# KiCad board rev6.0_flat_powerstage.kicad_pcb (continued)
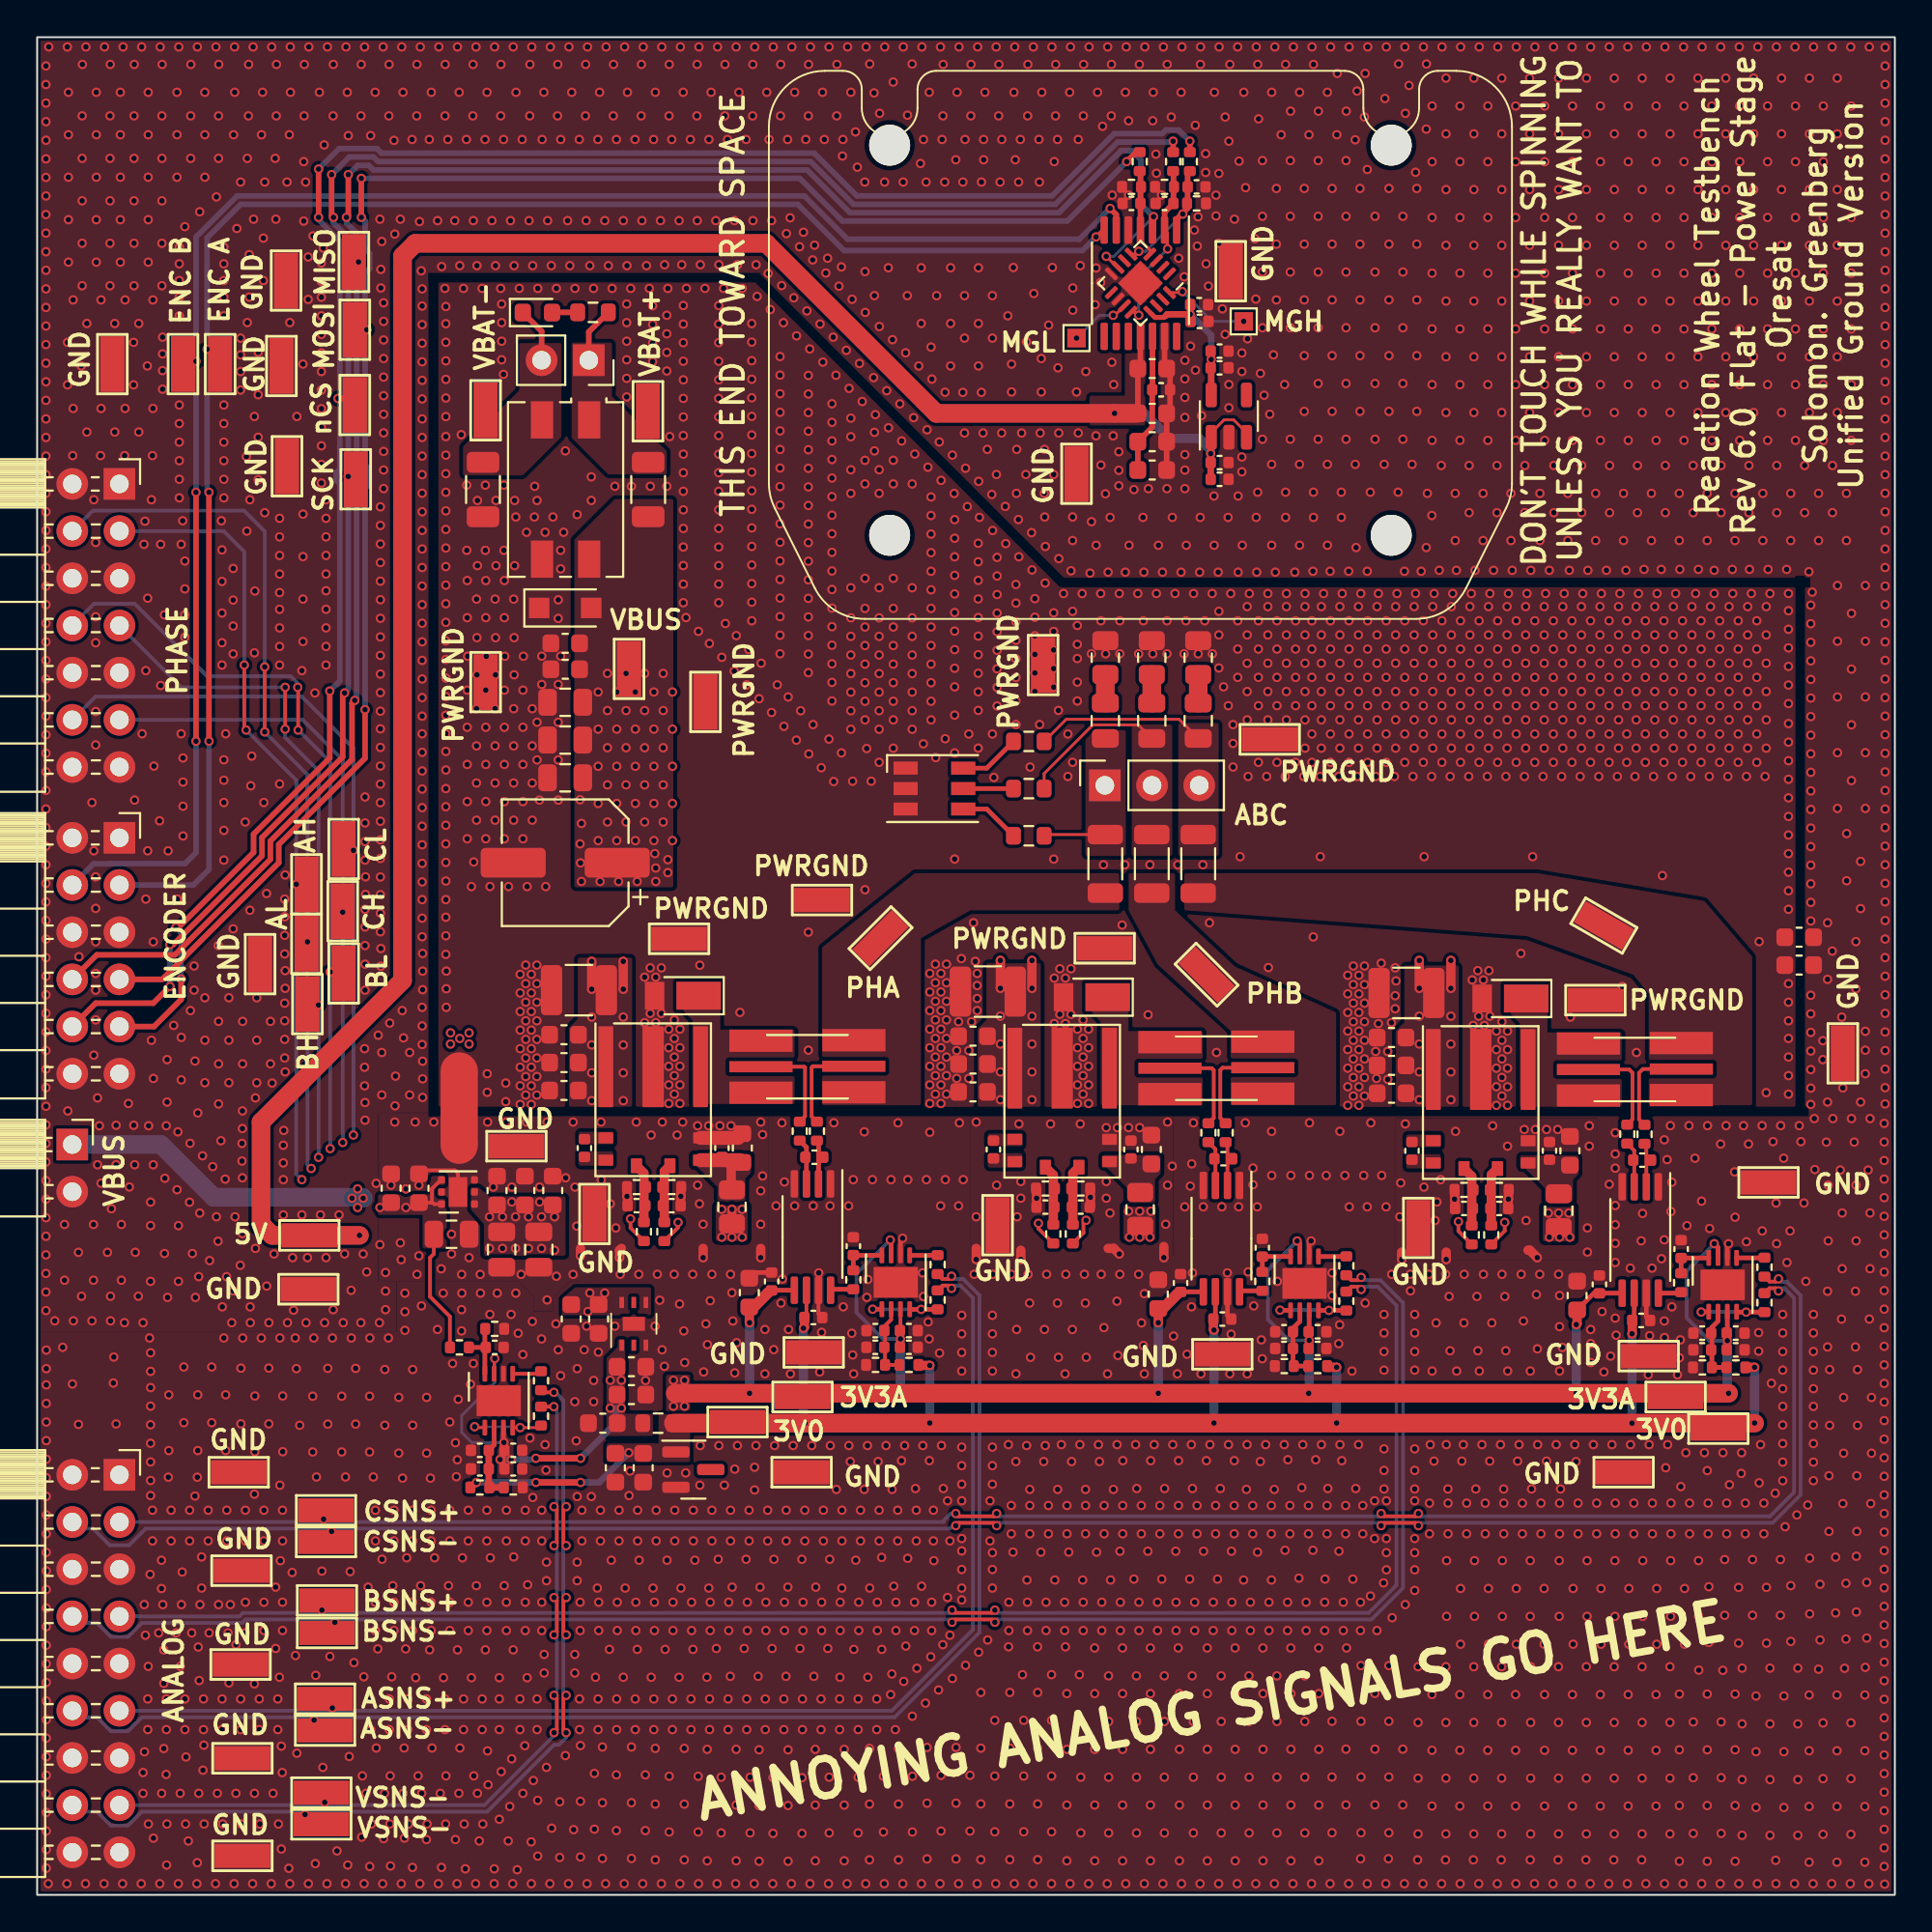
[diagram p0: board, top side]
## Routing (per net, layer and track width the routed paths; a pad name or vN(x,y) marks a point on that pad's centre or on a via; arc(x,y) is an arc through that point) (continued)
  vias: v1(0.48,98.45) v1(0.48,97.45) v1(0.48,96.45) v1(0.48,95.45) v1(0.48,94.45) v1(0.48,93.45) v1(0.48,92.45) v1(0.48,91.45) v1(0.48,90.45) v1(0.48,89.45) v1(0.48,88.45) v1(0.48,87.45) v1(0.48,86.45) v1(0.48,85.45) v1(0.48,84.45) v1(0.48,83.45) v1(0.48,82.45) v1(0.48,81.45) v1(0.48,80.45) v1(0.48,79.45) v1(0.48,78.45) v1(0.48,77.45) v1(0.48,76.45) v1(0.48,75.45) v1(0.48,74.45) v1(0.48,73.45) v1(0.48,72.45) v1(0.48,71.45) v1(0.48,70.45) v1(0.48,69.45) v1(0.48,68.45) v1(0.48,67.45) v1(0.48,66.45) v1(0.48,65.45) v1(0.48,64.45) v1(0.48,63.45) v1(0.48,62.45) v1(0.48,61.45) v1(0.48,60.45) v1(0.48,59.45) v1(0.48,58.45) v1(0.48,57.45) v1(0.48,56.45) v1(0.48,55.45) v1(0.48,54.45) v1(0.48,53.45) v1(0.48,52.45) v1(0.48,51.45) v1(0.48,50.45) v1(0.48,49.45) v1(0.48,48.45) v1(0.48,47.45) v1(0.48,46.45) v1(0.48,45.45) v1(0.48,44.45) v1(0.48,43.45) v1(0.48,42.45) v1(0.48,41.45) v1(0.48,40.45) v1(0.48,39.45) v1(0.48,38.45) v1(0.48,37.45) v1(0.48,36.45) v1(0.48,35.45) v1(0.48,34.45) v1(0.48,33.45) v1(0.48,32.45) v1(0.48,31.45) v1(0.49,29.33) v1(0.49,28.33) v1(0.49,27.45) v1(0.49,26.45) v1(0.49,25.45) v1(0.49,24.45) v1(0.49,23.45) v1(0.49,22.45) v1(0.49,21.45) v1(0.49,20.45) v1(0.49,19.44) v1(0.49,18.44) v1(0.49,17.44) v1(0.49,16.44) v1(0.49,15.44) v1(0.49,14.44) v1(0.49,13.44) v1(0.49,12.44) v1(0.49,11.44) v1(0.49,10.44) v1(0.49,9.44) v1(0.49,8.44) v1(0.49,7.44) v1(0.49,6.44) v1(0.49,5.44) v1(0.49,4.44) v1(0.49,3.44) v1(0.49,2.44) v1(0.49,1.44) v1(0.62,99.47) v1(0.6,0.6) v1(0.95,30.9) v1(1.38,29.47) v1(1.47,36.09) v1(1.47,33.09) v1(1.62,99.47) v1(1.68,97.03) v1(1.68,94.75) v1(1.68,92.46) v1(1.68,90.17) v1(1.68,87.89) v1(1.64,83.57) v1(1.64,81.28) v1(1.65,42.2) v1(1.6,0.6) v1(1.9,27.5) v1(1.94,85.86) v1(1.94,80.01) v1(1.91,77.47) v1(1.95,30.9) v1(2.25,50.5) v1(2.22,34.59) v1(2.23,25.33) v1(2.37,82.3) v1(2.39,32.22) v1(2.43,98.53) v1(2.42,95.76) v1(2.42,93.48) v1(2.42,91.19) v1(2.42,88.9) v1(2.42,86.62) v1(2.62,99.47) v1(2.68,84.59) v1(2.68,78.74) v1(2.6,0.6) v1(2.95,58.8) v1(2.95,30.9) v1(3.05,75.1) v1(3.05,56.2) v1(3.05,45.2) v1(3.03,36.09) v1(3.03,33.09) v1(3.18,97.03) v1(3.18,94.75) v1(3.18,92.46) v1(3.18,90.17) v1(3.18,87.89) v1(3.15,72.8) v1(3.15,68.8) v1(3.15,67.4) v1(3.15,63.7) v1(3.15,61.9) v1(3.15,54.8) v1(3.15,53.1) v1(3.15,51.3) v1(3.15,49.6) v1(3.15,48.7) v1(3.15,47.1) v1(3.25,42.9) v1(3.25,39.3) v1(3.35,41.4) v1(3.44,85.86) v1(3.44,80.01) v1(3.41,77.47) v1(3.44,38.31) v1(3.62,99.47) v1(3.6,0.6) v1(3.78,34.59) v1(3.93,98.53) v1(3.92,95.76) v1(3.92,93.48) v1(3.92,91.19) v1(3.92,88.9) v1(3.92,86.62) v1(4,36.94) v1(3.95,32.22) v1(3.95,30.9) v1(4.18,84.59) v1(4.18,78.74) v1(4.12,28.95) v1(4.1,27.55) v1(4.25,41.42) v1(4.25,39.3) v1(4.25,25.35) v1(4.48,97.03) v1(4.48,94.75) v1(4.48,92.46) v1(4.48,90.17) v1(4.48,87.89) v1(4.53,36.09) v1(4.53,33.09) v1(4.62,99.47) v1(4.6,0.6) v1(4.73,85.86) v1(4.73,80.01) v1(4.71,77.47) v1(4.7,30.8) v1(4.91,42.6) v1(4.96,38.1) v1(5.19,83.57) v1(5.19,81.28) v1(5.23,98.53) v1(5.22,95.76) v1(5.22,93.48) v1(5.22,91.19) v1(5.22,88.9) v1(5.22,86.62) v1(5.24,58.93) v1(5.2,41.42) v1(5.25,39.3) v1(5.28,34.59) v1(5.47,84.59) v1(5.47,78.74) v1(5.45,32.22) v1(5.62,99.47) v1(5.65,62.5) v1(5.6,0.6) v1(5.75,72.7) v1(5.7,30.8) v1(5.76,15.62) v1(5.78,7.7) v1(5.7,6.58) v1(5.7,5.47) v1(5.8,73.94) v1(5.85,65.9) v1(5.85,53.6) v1(5.83,13.97) v1(5.98,97.03) v1(5.98,94.75) v1(5.98,92.46) v1(5.98,90.17) v1(5.98,87.89) v1(5.93,82.3) v1(5.95,69.8) v1(5.95,56.2) v1(5.98,12.3) v1(5.95,10.55) v1(5.95,8.89) v1(5.99,3.81) v1(6,41.4) v1(6.05,29.98) v1(6.08,17.25) v1(6.15,75.1) v1(6.15,46) v1(6.11,37.29) v1(6.1,36.02) v1(6.1,33.02) v1(6.11,29.18) v1(6.11,28.18) v1(6.11,27.31) v1(6.11,26.31) v1(6.11,25.31) v1(6.11,24.31) v1(6.11,23.31) v1(6.11,22.31) v1(6.11,21.49) v1(6.23,85.86) v1(6.23,80.01) v1(6.21,77.47) v1(6.28,60.76) v1(6.25,51.3) v1(6.26,43.95) v1(6.25,39.3) v1(6.21,20.7) v1(6.21,19.05) v1(6.26,3.05) v1(6.59,57.81) v1(6.54,14.1) v1(6.62,99.47) v1(6.65,72.7) v1(6.65,65.1) v1(6.69,18.01) v1(6.69,16.49) v1(6.6,0.6) v1(6.73,98.53) v1(6.72,95.76) v1(6.72,93.48) v1(6.72,91.19) v1(6.72,88.9) v1(6.72,86.62) v1(6.75,83.85) v1(6.75,82.95) v1(6.75,82.05) v1(6.75,81.05) v1(6.76,15.62) v1(6.7,5.47) v1(6.85,68.9) v1(6.88,38.57) v1(6.85,34.52) v1(6.82,13.19) v1(6.82,11.38) v1(6.82,7.88) v1(7,44.96) v1(7,42.68) v1(6.95,41.4) v1(6.95,10.55) v1(6.95,8.89) v1(6.94,6.48) v1(6.99,3.81) v1(6.97,1.6) v1(7.05,56.2) v1(7.02,32.16) v1(7.09,26.92) v1(7.09,23.92) v1(7.06,22.48) v1(7.21,20.7) v1(7.21,19.05) v1(7.35,46.8) v1(7.48,14.1) v1(7.53,97.03) v1(7.53,94.75) v1(7.53,92.46) v1(7.55,53.6) v1(7.58,41.07) v1(7.53,37.96) v1(7.62,99.47) v1(7.65,88.7) v1(7.65,87.8) v1(7.65,86.9) v1(7.65,86) v1(7.65,85) v1(7.65,80.2) v1(7.65,79.2) v1(7.65,78.2) v1(7.65,77.2) v1(7.65,76.2) v1(7.65,75.2) v1(7.6,36.02) v1(7.6,33.02) v1(7.6,0.6) v1(7.75,72.7) v1(7.75,62.5) v1(7.76,46.16) v1(7.76,43.87) v1(7.76,15.62) v1(7.71,12.3) v1(7.7,5.47) v1(7.83,73.97) v1(7.85,61.2) v1(7.85,59.9) v1(7.85,58.6) v1(7.85,57) v1(7.9,28.42) v1(7.9,25.42) v1(7.81,17.38) v1(7.95,89.8) v1(7.95,71.8) v1(7.95,70.3) v1(7.95,68.9) v1(7.95,67.7) v1(7.95,10.55) v1(7.95,8.89) v1(7.99,3.81) v1(8.01,7.42) v1(8.14,2.9) v1(8.28,98.53) v1(8.26,95.76) v1(8.26,93.48) v1(8.25,47.6) v1(8.23,40.46) v1(8.2,37.28) v1(8.21,20.7) v1(8.21,19.05) v1(8.35,34.52) v1(8.32,14.1) v1(8.45,50) v1(8.45,48.7) v1(8.5,44.89) v1(8.49,21.47) v1(8.52,32.16) v1(8.62,99.47) v1(8.65,42.09) v1(8.7,33.28) v1(8.65,26.92) v1(8.65,23.92) v1(8.62,22.48) v1(8.67,13.34) v1(8.62,1.73) v1(8.6,0.6) v1(8.75,90.6) v1(8.75,36.7) v1(8.76,15.62) v1(8.72,11.54) v1(8.7,5.47) v1(8.85,18.19) v1(8.85,16.51) v1(8.9,39.78) v1(8.95,10.55) v1(8.95,8.89) v1(8.98,8.06) v1(8.93,6.71) v1(8.99,3.81) v1(9.03,97.03) v1(9.03,94.75) v1(9.03,92.46) v1(9.03,48.29) v1(9.03,46) v1(9.03,43.72) v1(9.28,34.14) v1(9.21,20.7) v1(9.21,19.05) v1(9.26,14.1) v1(9.4,28.42) v1(9.4,25.42) v1(9.45,39.2) v1(9.62,99.47) v1(9.65,91.4) v1(9.65,36.5) v1(9.6,0.6) v1(9.78,98.53) v1(9.76,95.76) v1(9.76,93.48) v1(9.75,51.1) v1(9.77,47.02) v1(9.77,44.73) v1(9.76,42.57) v1(9.74,35.18) v1(9.76,15.62) v1(9.7,5.47) v1(9.89,40.59) v1(9.92,73.97) v1(9.95,72.4) v1(9.95,70.7) v1(9.95,69) v1(9.95,67.4) v1(9.95,66.2) v1(9.97,31.65) v1(9.95,10.55) v1(9.95,8.89) v1(9.99,3.81) v1(10.05,88.7) v1(10.05,87.8) v1(10.05,86.9) v1(10.05,86) v1(10.05,85) v1(10.05,80.2) v1(10.05,79.2) v1(10.05,78.2) v1(10.05,77.2) v1(10.05,76.2) v1(10.05,75.2) v1(10.05,61.1) v1(10.05,60) v1(10.05,58.8) v1(10.05,57.3) v1(10.05,55.7) v1(10.05,29.98) v1(10.15,62.5) v1(10.12,38.53) v1(10.2,33.28) v1(10.15,26.92) v1(10.15,23.92) v1(10.21,20.7) v1(10.21,19.05) v1(10.27,14.1) v1(10.32,48.29) v1(10.32,46) v1(10.32,43.72) v1(10.4,15.62) v1(10.32,11.41) v1(10.48,30.8) v1(10.57,94.75) v1(10.55,71.4) v1(10.55,69.7) v1(10.55,68.3) v1(10.55,66.8) v1(10.55,52) v1(10.55,32.52) v1(10.62,99.47) v1(10.63,97.03) v1(10.65,36.5) v1(10.6,0.6) v1(10.75,89.7) v1(10.7,13.47) v1(10.7,5.47) v1(10.95,92.2) v1(10.95,83.8) v1(10.95,82.9) v1(10.95,82) v1(10.95,81) v1(10.93,33.89) v1(10.97,28.35) v1(10.97,25.35) v1(10.95,10.55) v1(10.95,8.89) v1(10.99,3.81) v1(11.06,47.02) v1(11.06,44.73) v1(11.05,42.2) v1(11.05,41.25) v1(11.02,40.45) v1(11.02,39.5) v1(11.05,38.6) v1(11.05,35.6) v1(11.07,29.98) v1(11.26,77.42) v1(11.29,73.41) v1(11.2,57.75) v1(11.21,20.7) v1(11.21,19.05) v1(11.21,15.75) v1(11.21,14.1) v1(11.38,98.53) v1(11.37,95.76) v1(11.31,93.48) v1(11.31,84.64) v1(11.41,88.29) v1(11.41,86.01) v1(11.45,75.1) v1(11.5,59.7) v1(11.45,53) v1(11.47,31.65) v1(11.48,30.8) v1(11.55,61.3) v1(11.62,99.47) v1(11.65,90.2) v1(11.69,79.58) v1(11.69,66.86) v1(11.69,21.57) v1(11.69,11.36) v1(11.6,0.6) v1(11.72,70.18) v1(11.75,42.9) v1(11.75,34.8) v1(11.72,26.85) v1(11.72,23.85) v1(11.7,5.47) v1(11.9,83.04) v1(11.9,80.75) v1(11.9,78.46) v1(11.9,76.18) v1(11.82,48.29) v1(11.82,46) v1(11.82,43.72) v1(11.95,10.55) v1(11.95,8.89) v1(11.99,3.81) v1(12.07,94.75) v1(12.07,29.98) v1(12.13,97.03) v1(12.18,89.18) v1(12.18,86.9) v1(12.25,92.2) v1(12.25,74.4) v1(12.2,58.8) v1(12.21,20.7) v1(12.21,19.05) v1(12.21,15.75) v1(12.21,14.23) v1(12.35,53.9) v1(12.35,32.77) v1(12.48,30.8) v1(12.47,28.35) v1(12.47,25.35) v1(12.56,47.02) v1(12.56,44.73) v1(12.62,99.47) v1(12.65,43.7) v1(12.6,0.6) v1(12.75,34.5) v1(12.7,5.47) v1(12.88,98.53) v1(12.87,95.76) v1(12.81,93.48) v1(12.85,90.2) v1(12.84,16.56) v1(12.84,13.26) v1(12.95,10.55) v1(12.95,8.89) v1(12.99,3.81) v1(13.05,74.1) v1(13.05,73.1) v1(13.05,72.1) v1(13.05,71.1) v1(13.05,70.1) v1(13.05,69.2) v1(13.05,68.2) v1(13.05,67.2) v1(13.05,66.2) v1(13.05,59.8) v1(13.07,29.98) v1(13.07,22.05) v1(13.09,17.99) v1(13.04,11.71) v1(13.14,8) v1(13.19,6.58) v1(13.14,2.47) v1(13.27,41.15) v1(13.25,40.35) v1(13.25,39.4) v1(13.25,38.5) v1(13.25,36.6) v1(13.22,26.85) v1(13.22,23.85) v1(13.21,20.7) v1(13.21,19.05) v1(13.21,15.75) v1(13.21,14.23) v1(13.35,54.9) v1(13.33,53.6) v1(13.33,52.65) v1(13.33,51.65) v1(13.33,50.65) v1(13.35,49.75) v1(13.35,48.8) v1(13.33,48) v1(13.33,47.05) v1(13.33,46.05) v1(13.33,45.05) v1(13.35,44.3) v1(13.45,92.2) v1(13.48,30.8) v1(13.57,94.75) v1(13.6,84.64) v1(13.55,1.43) v1(13.62,99.47) v1(13.63,97.03) v1(13.6,0.6) v1(13.75,34.3) v1(13.73,17.35) v1(13.8,31.47) v1(13.89,29.98) v1(13.98,79.58) v1(13.95,28.33) v1(13.9,12.88) v1(13.98,7.62) v1(14.13,25.28) v1(14.25,65.9) v1(14.25,36.6) v1(14.38,98.53) v1(14.37,95.76) v1(14.35,93.3) v1(14.35,90.1) v1(14.31,82.4) v1(14.31,74.32) v1(14.31,72.04) v1(14.31,69.75) v1(14.31,67.47) v1(14.45,92.2) v1(14.48,30.8) v1(14.59,88.17) v1(14.59,85.88) v1(14.55,34.3) v1(14.62,99.47) v1(14.6,0.6) v1(14.85,89.3) v1(14.89,29.98) v1(14.83,26.84) v1(14.83,23.84) v1(14.95,64.7) v1(15,11.81) v1(14.97,1.68) v1(15.04,22.49) v1(15.19,97.03) v1(15.3,87.85) v1(15.3,86.85) v1(15.3,86) v1(15.3,85) v1(15.3,84) v1(15.3,83) v1(15.3,82) v1(15.3,81) v1(15.3,80) v1(15.3,79) v1(15.3,78) v1(15.3,77) v1(15.3,76) v1(15.25,36.6) v1(15.4,88.65) v1(15.33,17.43) v1(15.38,6.86) v1(15.45,94.2) v1(15.48,30.8) v1(15.55,75.1) v1(15.55,74.1) v1(15.55,73.1) v1(15.55,72.1) v1(15.55,71.1) v1(15.55,70.2) v1(15.55,69.2) v1(15.55,68.2) v1(15.55,67.2) v1(15.55,66.2) v1(15.55,34.3) v1(15.62,99.47) v1(15.64,28.34) v1(15.64,25.34) v1(15.6,0.6) v1(15.76,12.83) v1(15.89,29.98) v1(15.94,98.53) v1(15.93,95.76) v1(15.94,31.5) v1(16.14,2.37) v1(16.25,36.6) v1(16.39,26.84) v1(16.39,23.84) v1(16.48,30.8) v1(16.55,34.5) v1(16.6,22.49) v1(16.62,99.47) v1(16.69,97.03) v1(16.6,0.6) v1(16.75,94.7) v1(16.8,7.45) v1(16.72,1.6) v1(16.85,17.4) v1(16.9,32.54) v1(16.91,29.98) v1(17.05,12.5) v1(17.14,28.34) v1(17.14,25.34) v1(17.44,98.53) v1(17.43,95.76) v1(17.42,30.8) v1(17.47,3.1) v1(17.55,34.5) v1(17.59,11.74) v1(17.51,6.4) v1(17.62,99.47) v1(17.65,59.1) v1(17.65,57.7) v1(17.65,56.7) v1(17.65,55.7) v1(17.67,54.8) v1(17.67,53.85) v1(17.65,53.05) v1(17.65,52.1) v1(17.65,51.1) v1(17.65,50.1) v1(17.65,48.7) v1(17.62,45.55) v1(17.62,44.55) v1(17.62,43.55) v1(17.65,42.65) v1(17.65,41.7) v1(17.6,0.6) v1(17.74,33.53) v1(17.7,5.47) v1(17.89,26.84) v1(17.89,23.84) v1(17.82,16.56) v1(17.95,94.7) v1(17.91,29.98) v1(17.95,10.55) v1(17.95,8.89) v1(17.99,3.81) v1(17.9,1.53) v1(18.1,22.49) v1(18.19,97.03) v1(18.25,38.3) v1(18.21,20.7) v1(18.21,19.05) v1(18.21,15.75) v1(18.21,14.23) v1(18.26,7.9) v1(18.36,46.27) v1(18.34,13.24) v1(18.45,90.2) v1(18.5,87.5) v1(18.5,86.5) v1(18.48,74.72) v1(18.48,73.72) v1(18.48,72.72) v1(18.48,71.72) v1(18.48,70.72) v1(18.48,69.72) v1(18.48,68.72) v1(18.48,67.72) v1(18.48,66.72) v1(18.48,65.72) v1(18.48,64.72) v1(18.48,63.72) v1(18.48,62.77) v1(18.48,61.77) v1(18.48,60.77) v1(18.48,59.79) v1(18.48,58.79) v1(18.48,57.79) v1(18.48,56.79) v1(18.48,55.79) v1(18.48,54.79) v1(18.48,53.84) v1(18.48,52.84) v1(18.48,51.84) v1(18.45,35) v1(18.42,30.8) v1(18.55,89) v1(18.5,50.94) v1(18.5,49.99) v1(18.55,45.34) v1(18.55,43.06) v1(18.57,18.06) v1(18.62,99.47) v1(18.65,85.7) v1(18.65,84.7) v1(18.65,83.7) v1(18.65,82.7) v1(18.65,81.7) v1(18.65,80.7) v1(18.65,79.7) v1(18.65,78.7) v1(18.65,77.7) v1(18.65,76.7) v1(18.65,75.7) v1(18.65,3.03) v1(18.6,0.6) v1(18.75,33.5) v1(18.75,32.5) v1(18.75,31.5) v1(18.72,28.28) v1(18.72,25.28) v1(18.7,5.47) v1(18.94,98.53) v1(18.93,95.76) v1(18.98,46.93) v1(18.91,29.98) v1(18.95,10.55) v1(18.95,8.89) v1(18.99,3.81) v1(19.05,38.2) v1(19.09,11.74) v1(19.01,6.4) v1(19.02,1.55) v1(19.14,16.64) v1(19.21,94.44) v1(19.25,89.4) v1(19.29,44.07) v1(19.26,42.47) v1(19.25,41.6) v1(19.21,20.7) v1(19.21,19.05) v1(19.21,15.75) v1(19.21,14.23) v1(19.47,26.78) v1(19.47,23.78) v1(19.55,90.2) v1(19.55,35.1) v1(19.59,34.19) v1(19.62,99.47) v1(19.69,97.03) v1(19.65,47.6) v1(19.67,22.43) v1(19.6,0.6) v1(19.72,46.13) v1(19.8,32.39) v1(19.8,31.39) v1(19.8,30.39) v1(19.76,7.9) v1(19.7,5.47) v1(19.77,3.05) v1(19.85,38) v1(19.89,18.14) v1(19.84,13.24) v1(19.95,10.55) v1(19.95,8.89) v1(19.99,3.81) v1(20.05,45.34) v1(20.05,43.06) v1(20.18,94.49) v1(20.22,28.28) v1(20.22,25.28) v1(20.21,20.7) v1(20.21,19.05) v1(20.21,15.75) v1(20.21,14.23) v1(20.2,1.48) v1(20.35,41.6) v1(20.38,11.69) v1(20.44,98.53) v1(20.43,95.76) v1(20.45,33.4) v1(20.58,90.07) v1(20.55,38.2) v1(20.55,34.4) v1(20.51,6.4) v1(20.62,99.47) v1(20.67,87.42) v1(20.69,31.7) v1(20.64,16.64) v1(20.6,0.6) v1(20.73,86.45) v1(20.73,85.53) v1(20.73,84.53) v1(20.73,83.53) v1(20.73,82.53) v1(20.73,81.53) v1(20.73,80.53) v1(20.73,79.45) v1(20.73,78.45) v1(20.73,77.45) v1(20.73,76.45) v1(20.73,75.45) v1(20.73,74.45) v1(20.73,73.45) v1(20.73,72.45) v1(20.73,71.45) v1(20.73,70.45) v1(20.73,69.45) v1(20.73,68.45) v1(20.73,67.45) v1(20.73,66.45) v1(20.73,65.45) v1(20.73,64.45) v1(20.73,63.45) v1(20.73,62.5) v1(20.73,61.5) v1(20.73,60.5) v1(20.73,59.52) v1(20.73,58.52) v1(20.73,57.52) v1(20.73,56.52) v1(20.73,55.52) v1(20.73,54.52) v1(20.73,53.58) v1(20.73,52.58) v1(20.73,51.58) v1(20.75,50.67) v1(20.75,49.73) v1(20.75,48.73) v1(20.73,47.77) v1(20.73,46.77) v1(20.73,45.77) v1(20.75,44.88) v1(20.75,43.92) v1(20.75,42.92) v1(20.7,5.47) v1(20.97,26.78) v1(20.97,23.78) v1(20.95,10.55) v1(20.95,8.89) v1(20.99,3.81) v1(20.95,2.98) v1(21.11,94.49) v1(21.17,22.43) v1(21.13,13.19) v1(21.22,97.03) v1(21.21,20.7) v1(21.21,19.05) v1(21.21,15.75) v1(21.21,14.23) v1(21.26,7.9) v1(21.35,41.6) v1(21.39,18.14) v1(21.55,90.12) v1(21.55,30.43) v1(21.62,99.47) v1(21.6,0.6) v1(21.77,87.65) v1(21.75,33.7) v1(21.7,5.47) v1(21.76,1.48) v1(21.86,32.39) v1(21.88,11.69) v1(21.97,98.53) v1(21.95,95.76) v1(21.95,10.55) v1(21.95,8.89) v1(21.99,3.81) v1(22.01,6.4) v1(22.11,94.49) v1(22.14,16.64) v1(22.21,25.45) v1(22.21,20.7) v1(22.21,19.05) v1(22.21,15.75) v1(22.21,14.23) v1(22.3,35.56) v1(22.3,34.5) v1(22.36,28.6) v1(22.48,90.12) v1(22.51,24.34) v1(22.57,22.51) v1(22.51,2.98) v1(22.62,99.47) v1(22.67,26.67) v1(22.62,23.42) v1(22.63,13.19) v1(22.6,0.6) v1(22.72,97.03) v1(22.75,87.7) v1(22.76,7.9) v1(22.7,5.47) v1(22.85,33.4) v1(22.86,32.39) v1(22.84,31.5) v1(22.84,30.36) v1(22.89,18.14) v1(22.95,10.55) v1(22.95,8.89) v1(22.99,3.81) v1(23.05,1.4) v1(23.11,94.49) v1(23.25,34.3) v1(23.21,20.7) v1(23.21,19.05) v1(23.21,15.75) v1(23.21,14.23) v1(23.33,27.49) v1(23.38,11.69) v1(23.47,98.53) v1(23.45,95.76) v1(23.48,90.12) v1(23.48,28.6) v1(23.51,6.4) v1(23.62,99.47) v1(23.67,87.7) v1(23.64,16.64) v1(23.6,0.6) v1(23.7,5.47) v1(23.8,2.9) v1(23.85,33.4) v1(23.86,32.39) v1(23.95,10.55) v1(23.95,8.89) v1(23.99,3.81) v1(24.11,94.49) v1(24.13,13.19) v1(24.22,97.03) v1(24.25,41.6) v1(24.21,20.7) v1(24.21,19.05) v1(24.21,15.75) v1(24.21,14.23) v1(24.24,7.75) v1(24.27,5.93) v1(24.37,31.25) v1(24.39,18.14) v1(24.48,90.12) v1(24.55,38.1) v1(24.62,99.47) v1(24.67,87.7) v1(24.61,1.4) v1(24.6,0.6) v1(24.77,32.39) v1(24.88,11.69) v1(24.88,10.55) v1(24.88,8.89) v1(24.88,4.07) v1(24.97,98.53) v1(24.95,95.76) v1(24.98,6.63) v1(25.11,94.49) v1(25.14,16.64) v1(25.25,41.6) v1(25.26,20.7) v1(25.26,19.05) v1(25.26,15.75) v1(25.26,14.23) v1(25.36,2.9) v1(25.48,90.12) v1(25.44,4.76) v1(25.55,38.1) v1(25.51,31.25) v1(25.54,7.32) v1(25.6,0.6) v1(25.62,99.47) v1(25.67,87.7) v1(25.65,18.19) v1(25.63,13.19) v1(25.78,97.03) v1(25.77,32.39) v1(25.89,30.23) v1(25.84,1.35) v1(25.99,10.55) v1(25.99,8.89) v1(26.05,33.4) v1(26.11,94.49) v1(26.15,29.09) v1(26.15,5.47) v1(26.27,20.7) v1(26.27,19.05) v1(26.27,15.75) v1(26.27,14.23) v1(26.25,8.03) v1(26.35,41.6) v1(26.38,11.69) v1(26.48,90.12) v1(26.4,16.69) v1(26.53,98.53) v1(26.51,95.76) v1(26.53,24.59) v1(26.59,2.85) v1(26.6,0.6) v1(26.62,99.47) v1(26.67,87.7) v1(26.66,30.86) v1(26.68,21.39) v1(26.71,6.15) v1(26.91,10.55) v1(26.91,8.89) v1(26.94,5.09) v1(26.94,2.09) v1(27.05,38.1) v1(27.18,94.49) v1(27.15,29.92) v1(27.16,20.7) v1(27.16,19.05) v1(27.16,15.75) v1(27.16,14.23) v1(27.28,97.03) v1(27.29,12.94) v1(27.29,11.94) v1(27.34,24.24) v1(27.39,22.86) v1(27.48,90.12) v1(27.45,41.6) v1(27.45,32.02) v1(27.42,17.91) v1(27.42,16.91) v1(27.42,6.86) v1(27.6,0.6) v1(27.62,99.47) v1(27.67,87.7) v1(27.69,3.59) v1(27.95,33.3) v1(27.92,30.74) v1(28.03,98.53) v1(28.01,95.76) v1(28.05,29.34) v1(28.18,94.49) v1(28.18,27.94) v1(28.13,5.01) v1(28.13,2.01) v1(28.45,38.6) v1(28.43,7.5) v1(28.55,90.12) v1(28.6,0.6) v1(28.62,99.47) v1(28.67,87.7) v1(28.78,97.03) v1(28.85,41.6) v1(28.85,33.4) v1(28.88,3.51) v1(28.95,38.1) v1(28.94,26.55) v1(28.94,12.94) v1(28.94,11.94) v1(29.05,36) v1(29.07,28.33) v1(29.02,24.44) v1(29.07,21.44) v1(29.07,17.91) v1(29.07,16.91) v1(29.18,94.49) v1(29.19,10.55) v1(29.19,8.89) v1(29.23,15.75) v1(29.23,14.23) v1(29.25,8.04) v1(29.25,5.04) v1(29.25,2.04) v1(29.32,20.7) v1(29.32,19.05) v1(29.45,29.34) v1(29.53,98.53) v1(29.51,95.76) v1(29.55,90.12) v1(29.58,30.61) v1(29.6,0.6) v1(29.62,99.47) v1(29.75,87.7) v1(29.83,21.44) v1(29.96,27.69) v1(29.96,26.55) v1(30,6.54) v1(30,3.54) v1(30.05,11.71) v1(30.18,94.49) v1(30.15,16.51) v1(30.19,10.55) v1(30.19,8.89) v1(30.28,97.03) v1(30.21,29.21) v1(30.23,15.75) v1(30.23,14.23) v1(30.35,41.6) v1(30.36,38.48) v1(30.32,20.7) v1(30.32,19.05) v1(30.43,7.96) v1(30.43,4.96) v1(30.43,1.96) v1(30.55,90.12) v1(30.6,0.6) v1(30.62,99.47) v1(30.75,87.7) v1(30.85,37.2) v1(30.8,13.21) v1(30.9,18.01) v1(31.03,98.53) v1(31.01,95.76) v1(31.1,30.61) v1(31.18,94.49) v1(31.15,35.9) v1(31.19,10.55) v1(31.19,8.89) v1(31.18,6.46) v1(31.18,3.46) v1(31.23,15.75) v1(31.23,14.23) v1(31.39,33.41) v1(31.32,20.7) v1(31.32,19.05) v1(31.55,90.12) v1(31.55,11.71) v1(31.6,0.6) v1(31.62,99.47) v1(31.65,16.51) v1(31.78,97.03) v1(31.75,87.7) v1(31.86,21.49) v1(31.91,22.81) v1(31.99,7.96) v1(31.99,4.96) v1(31.99,1.96) v1(32.18,94.49) v1(32.19,10.55) v1(32.19,8.89) v1(32.25,41.6) v1(32.23,15.75) v1(32.23,14.23) v1(32.39,33.41) v1(32.32,20.7) v1(32.32,19.05) v1(32.3,13.21) v1(32.4,18.01) v1(32.53,98.53) v1(32.51,95.76) v1(32.55,90.12) v1(32.6,0.6) v1(32.62,99.47) v1(32.8,87.7) v1(32.75,27.69) v1(32.74,6.46) v1(32.74,3.46) v1(33.05,40.9) v1(33.05,11.71) v1(33.18,94.49) v1(33.15,16.51) v1(33.19,10.55) v1(33.19,8.89) v1(33.28,97.03) v1(33.26,30.61) v1(33.23,15.75) v1(33.23,14.23) v1(33.27,7.88) v1(33.27,4.88) v1(33.27,1.88) v1(33.39,33.41) v1(33.32,20.7) v1(33.32,19.05) v1(33.55,90.12) v1(33.51,32.01) v1(33.6,0.6) v1(33.62,99.47) v1(33.65,41.6) v1(33.64,29.34) v1(33.78,87.75) v1(33.77,28.45) v1(33.8,13.21) v1(33.91,22.71) v1(33.9,18.01) v1(34.03,98.53) v1(34.01,95.76) v1(34.02,6.38) v1(34.02,3.38) v1(34.16,94.49) v1(34.19,10.55) v1(34.19,8.89) v1(34.29,33.41) v1(34.23,15.75) v1(34.23,14.23) v1(34.32,20.7) v1(34.32,19.05) v1(34.45,40.9) v1(34.55,90.12) v1(34.58,31.8) v1(34.55,11.71) v1(34.6,0.6) v1(34.62,99.47) v1(34.65,16.51) v1(34.78,97.03) v1(34.7,87.75) v1(34.75,41.6) v1(34.81,30.36) v1(34.86,28.66) v1(34.83,7.88) v1(34.83,4.88) v1(34.83,1.88) v1(34.91,22.71) v1(35.16,94.49) v1(35.19,10.55) v1(35.19,8.89) v1(35.29,33.41) v1(35.23,15.75) v1(35.23,14.23) v1(35.32,20.7) v1(35.32,19.05) v1(35.3,13.21) v1(35.4,18.01) v1(35.53,98.53) v1(35.51,95.76) v1(35.53,90.12) v1(35.55,41.4) v1(35.55,38.2) v1(35.58,6.38) v1(35.58,3.38) v1(35.6,0.6) v1(35.62,99.47) v1(35.65,37.2) v1(35.7,24.18) v1(35.67,22.05) v1(35.7,87.75) v1(35.85,36.1) v1(35.88,28.15) v1(36,30.74) v1(36.08,29.62) v1(36.05,11.71) v1(36.07,7.83) v1(36.07,4.83) v1(36.07,1.83) v1(36.16,94.49) v1(36.15,41.4) v1(36.15,16.51) v1(36.19,10.55) v1(36.19,8.89) v1(36.28,97.03) v1(36.23,31.98) 